# Altium PCB KSDK.PcbDoc (part 2 of 2)
Units mil, origin at the board's own origin, x right, y up, seen from the top; angles counter-clockwise.
Board outline 2046.95 x 2834.35 mil, 2 copper layers (Top Layer, Bottom Layer), stack 49.606 mil thick; 93 components, 114 nets, 465 pads, 312 vias.
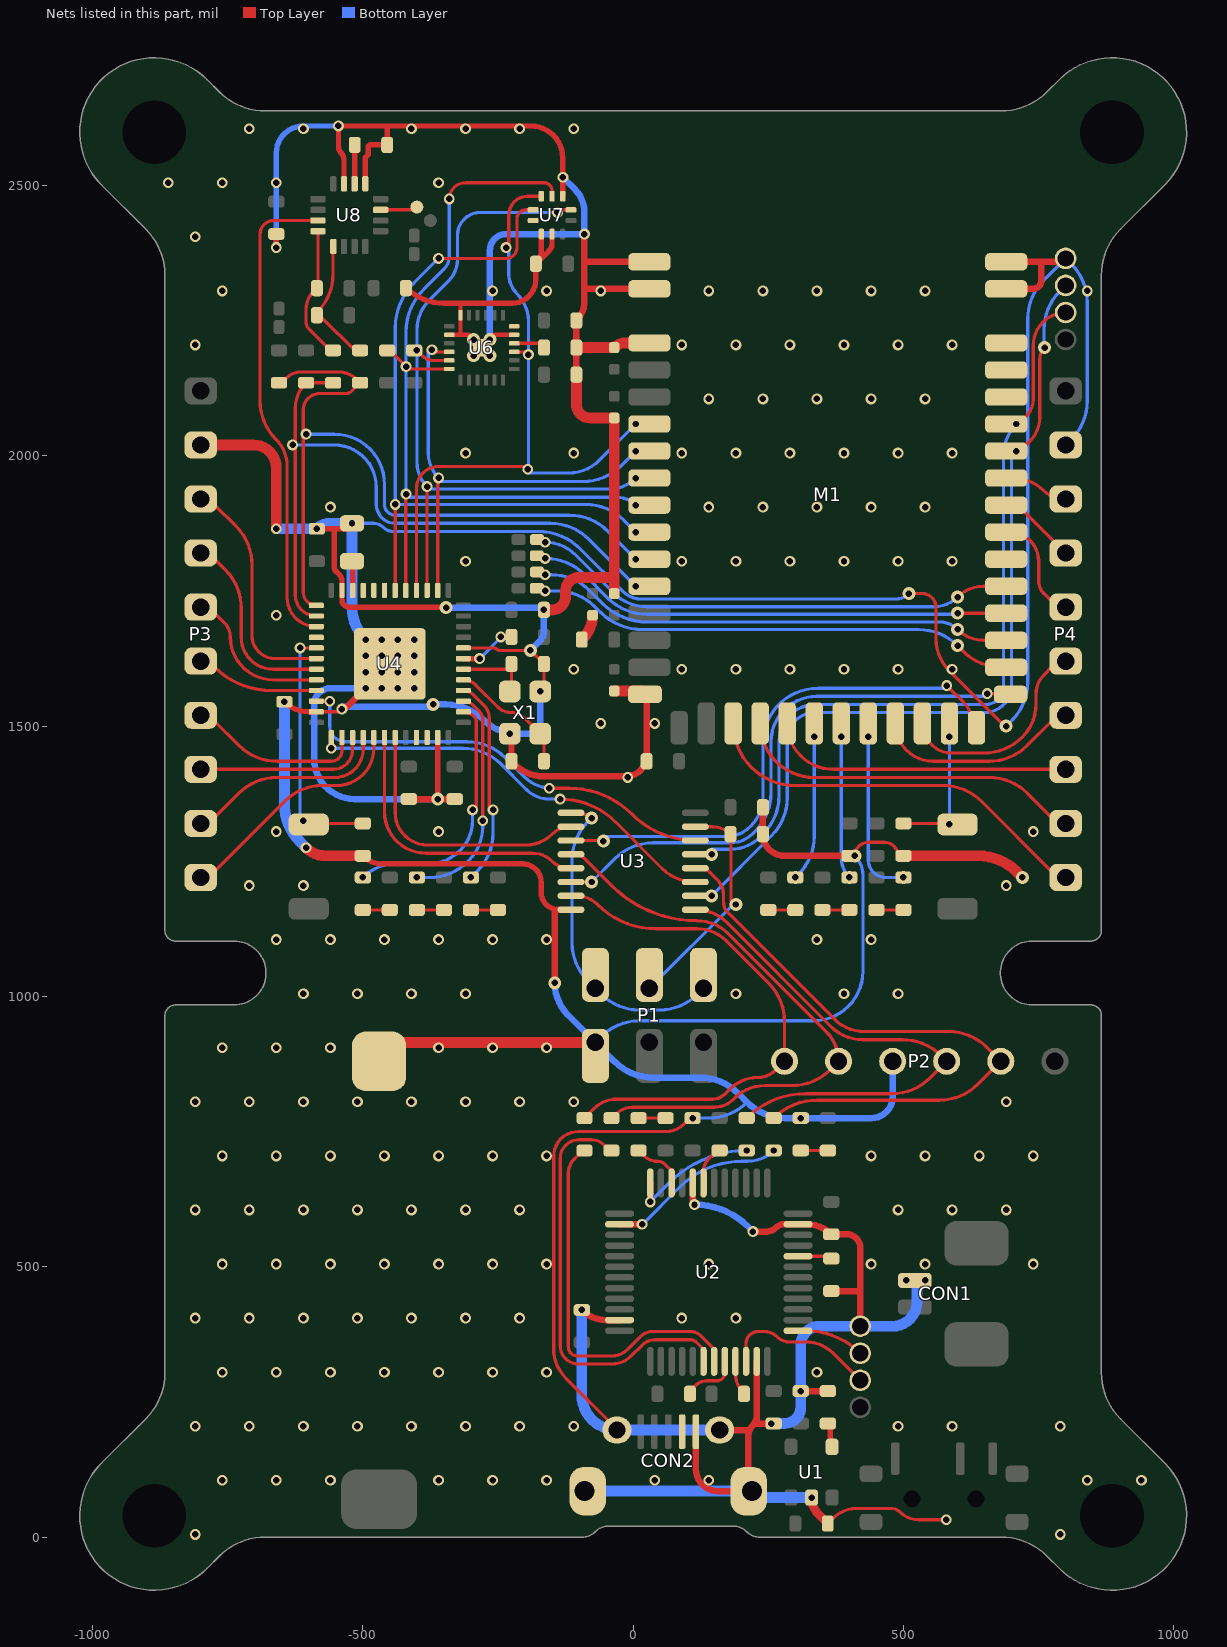
[diagram p2: the nets of this part, all layers, seen from the top]

## Via types
v1: diameter 20, hole 12, Top Layer to Bottom Layer, tented both sides, 251 vias
v2: diameter 24, hole 12, Top Layer to Bottom Layer, tented both sides, 61 vias

## Nets (pads, with @x,y where several pads share a name; then routed paths per layer and width w, separated by ;. In a path a pad name is that pad's centre, name@x,y a point inside that pad or via, vN(x,y) a via of type N, cw(c..) or ccw(c..) an arc to the next point about the centre after c; other vN are vias at no path point) (continued)
GND: Bat.1 C1.1 C2.1 C3.1 C4.1 C5.1 C6.1 C7.1 C8.1 C9.1 C10.1 C11.1 C12.1 C13.2 C14.1 C15.1 C16.1 C17.1 C18.1 C19.1 C20.1 C21.1 C22.1 C23.1 C24.1 C25.1 C26.1 C27.1 CON1.2 CON2.0 CON2.5 M1.1 M1.2 M1.3 M1.16 M1.43 M1.44 P1.6 P2.4 P3.2 P4.2 pad.0@420,390 pad.0@800,2365 pad.1@800,2020 pad.1@-70,890 pad.1@-800,2020 R1.1 R4.1 R11.1 R12.1 R17.1 R21.1 R23.1 U1.2 U2.8 U2.23 U2.35 U2.47 U3.8 U4.8 U4.23 U4.35 U4.47 U4.49 U6.11 U6.18 U6.20 U6.25 U7.3 U7.8 U7.9 U8.9 U8.11 X1.2 X1.4 | length 17249.8
  Top Layer w6: U4.35@-586,1526.42 v1@-538.58,1526.42 ; U4.8@-314,1644.53 -257.73,1644.53 cw(c-257.73,1636.8) -252.26,1642.26 ccw(c-246.8,1647.73) -246.8,1640 v2(-190,1640) ; v2(-295,2215) U6.25@-280,2200 v2(-265,2215) ; v1(-228,1486) X1.4@-225,1483 ; v2@-195,1635 cw(c-195,1610) C15.1@-170,1610 ; X1.2@-175,1567 v1(-172,1564) ; X1.2@-165,1567 C15.1@-165,1615 ; CON2.0@-28.42,198 -124.57,294.14 cw(c-69.2,349.5) -147,340.69 -147,704.56 cw(c-101.56,704.56) -101.56,750 60.55,750 ccw(c60.55,796.95) 93.72,763.72 ; 93.75,763.75 C5.1@107.5,777.5 ; C1.1@360,25 370.32,35.32 cw(c413,-7.36) 413,53 477.1,53 cw(c477.1,29.1) 494,46 ccw(c527.8,79.8) 527.8,32 v1(579,32) ; v2(410,1260) cw(c435,1260) 435,1285 465,1285 cw(c465,1260) R21.1@490,1260 ; v2(510,1745) 535,1745 cw(c535,1720) 560,1720 560,1662.4 ccw(c645.36,1662.4) 584.96,1602.08 ccw(c645.36,1662.4) 585,1602.04 687.04,1500 v2(690,1500)
  Top Layer w8: U6.20@-340,2223.62 -319.37,2223.62 ; -319.37,2281 U6.18@-319.37,2260 -319.37,2223.62 ; v2(-295,2215) -303.62,2223.62 -319.37,2223.62 ; v2(-265,2215) -256.38,2223.62 U6.11@-220,2223.62
  Top Layer w10: v1(-660,2385) C26.1@-660,2410 ; v1(-645,1545) ccw(c-600.14,1589.86) -600.14,1526.42 U4.35@-586,1526.42 ; v1(-585,1865) -553,1865 ; U8.11@-534.84,2503 -534.84,2547.55 ccw(c-552.45,2547.55) -539.98,2559.98 cw(c-527.93,2572.07) -545,2572.07 v1(-545,2610) -455,2610 ; v1(-520,1875) -520,1865 -553,1865 ; R17.1@-500,1260 ccw(c-463.79,1296.21) -463.79,1245 -204.14,1245 cw(c-204.14,1210.86) -170,1210.86 -170,1192.07 ccw(c-138.36,1192.07) U3.8@-138.36,1160.43 ; U8.9@-495.47,2503 -495.47,2551.79 -490.24,2557.02 -490.24,2569.76 cw(c-485,2569.76) -485,2575 C27.1@-455,2575 -455,2610 ; C25.1@-419.99,2310.99 ccw(c-350,2380.98) -350,2282 -224.49,2282 ccw(c-224.49,2326.49) -180,2326.49 ; v2(-361.42,1365) U4.47@-361.42,1479 ; v2@-350,1720 -525,1720 cw(c-525,1733.58) -538.58,1733.58 U4.23@-538.58,1751 -538.58,1768.94 ccw(c-554.22,1768.94) -543.16,1780 -549.35,1786.19 cw(c-540.54,1795) -553,1795 -553,1865 ; -180,2325.49 C24.1@-180,2355 ; U7.8@-169.69,2410 -169.69,2379.9 cw(c-204.9,2379.9) C24.1@-180,2355 ; U7.9@-150,2410 -150,2392.07 cw(c-167.07,2392.07) -155,2380 C24.1@-180,2355 ; U7.3@-130.31,2480 -130.31,2551.08 ccw(c-189.24,2551.08) -189.24,2610 -455,2610 ; U3.8@-119.58,1160.43 U3.8@-115,1160.43
  Top Layer w12: v1@-536.08,1528.92 v2(-495,1570) ; R12.1@-415,1365 v2(-361.42,1365) C12.1@-330,1365 ; X1.4@-225,1483 C14.1@-225,1435 -219.63,1429.63 ccw(c-165,1484.25) -165,1407 ; -170,1407 -165,1407 ; v2(-145,1025) -145,1153.8 cw(c-138.36,1153.8) U3.8@-138.36,1160.43 ; C21.1@-105,2150 C22.1@-105,2200 C23.1@-105,2250 ccw(c-141.24,2286.24) -89.99,2286.24 -89.99,2308.74 ; v1(-95,420) ccw(c-50.14,464.86) -50.14,401.42 U2.23@-25,401.42 ; v1(-90,2410) -89.99,2358.74 ; M1.16@25,1558.74 25,1445.49 cw(c-13.49,1445.49) -13.49,1407 -165,1407 ; M1.2@30,2308.74 -89.99,2308.74 ; M1.1@30,2358.74 -89.99,2358.74 ; U2.8@110.47,655 110.47,620 v1@115.47,615 ; CON2.5@116.18,195 116.18,125.44 ccw(c156.62,125.44) 156.62,85 CON2.0@220,85 ; CON2.0@160,198 213.16,198 213.16,188.32 ; CON2.0@213.16,93.42 213.16,188.32 ; v1(221.58,565) 246.97,565 ccw(c246.97,588.19) 263.37,571.79 ; U2.35@228.58,325 228.58,225.56 ; C8.1@240,1337.68 R11.1@240,1300 ccw(c280,1300) 280,1260 R23.1@400,1260 v2(410,1260) ; v1(255,210) 228.58,210 228.58,225.56 ; 263.39,571.81 cw(c279.76,555.4) 279.76,578.58 U2.47@305,578.58 321.71,578.58 cw(c321.71,515.14) C4.1@366.58,560 ; v1(310,270) C3.1@355,270 ; R4.1@366.58,455 420,455 ; C4.1@366.58,560 395,560 cw(c395,535) 420,535 pad.0@420,390 ; M1.44@689,2358.74 M1.44@690,2358.74 755,2358.74 ; M1.43@690,2308.74 740,2308.74 ccw(c740,2323.74) 755,2323.74 755,2358.74 ; pad.0@800,2358.74 755,2358.74 ; -89.99,2308.74 -89.99,2358.74 ; 213.16,188.32 cw(c236.52,188.32) 220,204.84 ccw(c199.28,225.56) 228.58,225.56
  Top Layer w16: v1(330,73) ccw(c373.46,73) 342.73,42.27 C1.1@360,25
  Top Layer w20: pad.1@-800,2020 -702.32,2020 cw(c-702.32,1977.68) -660,1977.68 v1(-660,1865) ; v1(-605,1275) ccw(c-568.79,1311.21) -568.79,1260 R17.1@-500,1260 ; Bat.1@-470,880 -470,915 P1.6@-70,915 ; v1(-165,1715) -150,1715 ccw(c-150,1740) -125,1740 -125,1750 cw(c-100,1750) -100,1775 -35,1775 ; C21.1@-105,2150 -105,2095 ccw(c-80,2095) -80,2070 C19.1@-35,2070 -35,1775 ; C22.1@-105,2200 C18.1@-35,2200 cw(c-13.9,2178.9) -13.9,2208.74 M1.3@30,2208.74 ; C17.1@-35,1565 M1.16@15.74,1565 ; C20.1@-35,1745 -35,1775 ; R21.1@500,1260 638.58,1260 cw(c638.58,1160) 709.29,1230.71 v2(720,1220)
  Bottom Layer w6: v1(-520,1875) -479.89,1875 cw(c-479.89,1850.11) -462.29,1867.71 ccw(c-443.67,1886.33) -443.67,1860 -176.12,1860 cw(c-176.12,1748.67) -97.39,1827.39 -19.14,1749.14 ; P1.6@-59.29,925.71 cw(c11.42,855) -38.15,941.85 cw(c11.42,855) 11.42,955 333.58,955 ccw(c333.58,1046.42) 425,1046.42 425,1223.79 ccw(c373.79,1223.79) v2(410,1260) ; -19.12,1749.12 ccw(c15,1783.28) 15,1735 485.86,1735 ccw(c485.86,1769.14) v2(510,1745) ; v1(110,775) 140,775 ccw(c140,875) 210.71,804.29 ; v2(690,1500) 700.71,1510.71 ccw(c630,1581.42) 730,1581.42 730,2253.58 cw(c830,2253.58) 759.29,2324.29 pad.0@800,2365 810.71,2354.29 cw(c740,2283.58) 840,2283.58 840,2101.42 cw(c740,2101.42) 810.71,2030.71 pad.1@800,2020
  Bottom Layer w10: v1(-660,2385) -660,2560 cw(c-610,2560) -610,2610 v1(-545,2610)
  Bottom Layer w12: v1@-538.58,1535.42 v2@-370,1535.42 ; v2(-495,1570) -560,1570 ccw(c-560,1540) -590,1540 -590,1440 ccw(c-515,1440) -515,1365 v2(-361.42,1365) ; v2@-492.5,1662.5 v2@-432.5,1602.5 ; v2(-370,1540) -346.42,1540 cw(c-346.42,1440) -275.71,1510.71 ccw(c-216.05,1570.37) -216.05,1486 -191.35,1486 ccw(c-191.35,1505.35) -172,1505.35 v1(-172,1564) ; v2(-346,1719) v1@-165,1719 ; v2(-265,2215) -265,2380 cw(c-235,2380) -235,2410 v1(-90,2410) -90,2449.89 ccw(c-150.62,2449.89) -107.76,2492.76 v1(-130,2515) ; v2(-190,1640) ccw(c-250.36,1700.36) v2(-190,1640) -172.51,1657.51 ccw(c-190.69,1675.66) -165,1675.66 v1(-165,1715) ; v2(-145,1025) ccw(c-60.5,1025) -120.28,965.28 ; -120.25,965.25 P1.6@-70,915 -34.29,879.29 ccw(c36.42,950) 36.42,850 123.58,850 cw(c123.58,750) 194.29,820.71 210.71,804.29 ccw(c281.42,875) 281.42,775 v1(310,775) 440.86,775 ccw(c440.86,814.14) 480,814.14 P2.4@480,880 ; v1@112.05,615 v1(113.47,615) cw(c113.47,474.73) 212.66,573.92 v1(221.58,565) ; CON2.0@160,198 CON2.0@161.58,198
  Bottom Layer w20: v1(-660,1865) v1(-585,1865) cw(c-560.86,1840.86) -560.86,1875 v1(-520,1875) -520,1720.36 ccw(c-434.64,1720.36) v2(-495,1660) ; v1(-645,1545) -645,1356.42 ccw(c-545,1356.42) -615.71,1285.71 v1(-605,1275) ; v1(-95,420) -95,263 ccw(c-30,263) CON2.0@-30,198 CON2.0@160,198 ; CON2.0@-90,85 CON2.0@220,85 ccw(c232,85) 232,73 v1(330,73) ; v1(255,210) 280,210 ccw(c280,240) 310,240 v1(310,270) 310,355 cw(c345,355) 345,390 pad.0@420,390 480,390 ccw(c480,435) 525,435 525,475 ; v1(505,475) 525,475 ; v1(540,475) 525,475
  other v1: -810,5 790,5 -760,105 -660,105 -560,105 -360,105 -260,105 -160,105 40,105 140,105 840,105 940,105 -810,205 -710,205 -610,205 -510,205 -410,205 -310,205 -210,205 -110,205 490,205 590,205 790,205 -760,305 -660,305 -560,305 -460,305 -360,305 -260,305 -160,305 340,305 -810,405 -710,405 -610,405 -510,405 -410,405 -310,405 -210,405 90,405 190,405 -760,505 -660,505 -560,505 -460,505 -360,505 -260,505 -160,505 140,505 440,505 540,505 740,505 -810,605 -710,605 -610,605 -510,605 -410,605 -310,605 -210,605 490,605 590,605 690,605 -760,705 -660,705 -560,705 -460,705 -360,705 -260,705 -160,705 440,705 540,705 640,705 740,705 -810,805 -710,805 -610,805 -510,805 -410,805 -310,805 -210,805 -110,805 690,805 -760,905 -660,905 -560,905 -360,905 -260,905 -160,905 -610,1005 -510,1005 -410,1005 -310,1005 190,1005 390,1005 490,1005 -660,1105 -560,1105 -460,1105 -360,1105 -260,1105 -160,1105 340,1105 440,1105 -710,1205 -610,1205 690,1205 -660,1305 -360,1305 740,1305 -10,1405 -60,1505 40,1505 -538.58,1531.42 -110,1605 90,1605 190,1605 290,1605 390,1605 490,1605 590,1605 -660,1705 -310,1805 90,1805 190,1805 290,1805 390,1805 490,1805 590,1805 -560,1905 140,1905 240,1905 340,1905 440,1905 540,1905 -310,2005 -110,2005 90,2005 190,2005 290,2005 390,2005 490,2005 590,2005 140,2105 240,2105 340,2105 440,2105 540,2105 -810,2205 90,2205 190,2205 290,2205 390,2205 490,2205 590,2205 -760,2305 -260,2305 -160,2305 -60,2305 140,2305 240,2305 340,2305 440,2305 540,2305 840,2305 -810,2405 -860,2505 -760,2505 -660,2505 -360,2505 -710,2605 -610,2605 -410,2605 -310,2605 -210,2605 -110,2605
  other v2: -465,1570 -435,1570 -405,1570 -495,1600 -465,1600 -435,1600 -405,1600 -495,1630 -465,1630 -435,1630 -405,1630 -465,1660 -435,1660 -405,1660 -295,2185 -265,2185
ID: CON2.4
IMU_CSB: M1.10 U4.18 U7.6 | length 1348
  Top Layer w6: U4.18@-440.16,1761 v1@-440.16,1910 ; v1(-360,2365) -235,2365 ccw(c-235,2385) -215,2385 -215,2438.04 cw(c-198.2,2438.04) -198.2,2454.84 U7.6@-185,2454.84
  Bottom Layer w6: v1@-445,1910 v1(-440,1910) ; v1(-360,2365) -405.32,2319.68 ccw(c-321.6,2235.96) -440,2235.96 v1(-440,1910) ; v2(5,1858.74) -16.97,1880.71 ccw(c-87.68,1810) -87.68,1910 v1(-440,1910)
IMU_CSM: M1.7 U4.14 U6.22 | length 863.9
  Top Layer w6: v1@-373.13,2196.13 -369.13,2192.13 U6.22@-340,2192.13 ; U4.14@-361.42,1761 v1@-361.42,1965
  Bottom Layer w6: v1@-379,2195 -379,2004.87 ccw(c-314.13,2004.87) v1(-360,1959) ; v1@-360,1952.43 -92.74,1952.43 ccw(c-92.74,2052.43) -22.02,1981.72 v2(5,2008.74)
  other v1: -372.13,2196.13
IMU_IMTB: U7.7
IMU_INTM: U6.12
IMU_SCK: M1.8 R24.1 U4.15 U6.23 U7.2 | length 1374.3
  Top Layer w6: R24.1@-402.5,2197.5 -390,2185 ccw(c-369.18,2205.82) -369.18,2176.38 U6.23@-340,2176.38 ; U4.15@-381.1,1761 v1(-381.1,1943) v1@-381.1,1945 ; v1(-140,2450) -135.16,2454.84 U7.2@-115,2454.84
  Bottom Layer w6: v1@-381.1,1938.28 -44.39,1938.28 ccw(c-44.39,2008.13) v2(5,1958.74) ; v1(-381.1,1943) cw(c-335.48,1988.62) -400,1988.62 v1(-400,2195) -400,2232.39 cw(c-321.28,2232.39) -376.97,2288.03 ; -375.28,2289.72 -341.3,2323.7 ccw(c-380.67,2363.06) -325,2363.06 -325,2407.68 cw(c-282.68,2407.68) -282.68,2450 v1(-140,2450)
IMU_SDI: M1.9 R25.1 U4.17 U6.24 U7.4 | length 1512
  Top Layer w6: R25.1@-445,2190 v1(-420,2165) -419.61,2164.61 ccw(c-410,2174.22) -410,2160.63 U6.24@-340,2160.63 ; U4.17@-420.47,1761 v1@-420.47,1930 ; v1(-340,2475) cw(c-310,2475) -310,2505 -165,2505 cw(c-165,2490) -150,2490 U7.4@-150,2480
  Bottom Layer w6: v1@-420,1923.14 -29.77,1923.14 cw(c-29.77,1873.97) v2(5,1908.74) ; v1@-420,1930 v1(-420,2165) -420,2228.88 cw(c-308.67,2228.88) -387.39,2307.61 -350,2345 ccw(c-374.14,2369.14) -340,2369.14 v1(-340,2475)
  other v1: -420,1929
IMU_SDO: M1.6 U4.16 U6.9 U7.5 | length 1241.7
  Top Layer w6: U4.16@-400.79,1761 -400.79,1939.21 cw(c-360,1939.21) -360,1980 v1@-190,1980 ; v1(-235,2385) v1@-230,2390 ; v1@-230,2380 v1@-230,2390 ; U6.9@-220,2192.13 -198.71,2192.13 v1(-193.71,2187.13) ; U7.5@-169.69,2480 -195,2480 ccw(c-195,2445) -230,2445 v1@-230,2390
  Bottom Layer w6: v1@-230,2385 -230,2336.21 ccw(c-178.79,2336.21) -215,2300 cw(c-266.4,2248.6) -193.71,2248.6 v1(-193.71,2187.13) v1@-193.71,1980 ; v1@-195,1968 -120,1968 ccw(c-120,2050.71) -61.51,1992.23 v2(5,2058.74)
  other v1: -195,1975
IST_RDY: U4.27 U8.15 | length 891.6
  Top Layer w6: U4.27@-586,1683.9 cw(c-586,1737.9) -640,1737.9 -640,1980.71 ccw(c-710.71,1980.71) -660.71,2030.71 cw(c-590,2101.42) -690,2101.42 -690,2409.84 cw(c-664.69,2409.84) -664.69,2435.16 U8.15@-583,2435.16
IST_SCL: M1.11 R26.1 R30.2 U4.25 | length 1398.7
  Top Layer w6: R26.1@-655,2135 ccw(c-655,2147.07) -646.46,2138.54 -640.61,2144.39 cw(c-615,2118.79) -615,2155 -545,2155 cw(c-545,2106.73) -510.89,2140.88 R30.2@-505,2135 -520,2120 cw(c-532.07,2132.07) -532.07,2115 -580,2115 ccw(c-580,2085) -610,2085 -610,1747.27 ccw(c-586,1747.27) U4.25@-586,1723.27
  Bottom Layer w6: -595,2040 -552.42,2040 cw(c-552.42,1947.58) -460,1947.58 -460,1910 ccw(c-440,1910) -440,1890 -117.68,1890 cw(c-117.68,1790) -46.97,1860.71 v2(5,1808.74)
  other v1: -605,2040
IST_SDA: M1.12 R27.1 R28.2 U4.26 | length 1279.3
  Top Layer w6: U4.26@-586,1703.58 cw(c-586,1742.58) -625,1742.58 -625,2086.72 cw(c-556.72,2086.72) R27.1@-605,2135 R28.2@-555,2135
  Bottom Layer w6: v1@-625,2020 -553.14,2020 cw(c-553.14,1941.86) -475,1941.86 -475,1910 ccw(c-440,1910) -440,1875 -152.68,1875 cw(c-152.68,1775) -81.97,1845.71 v2(5,1758.74)
  other v1: -630,2020
jBOOT: R4.2 U2.44 | length 66.9
  Top Layer w6: U2.44@301.58,519.53 U2.44@305,519.53 362.05,519.53 R4.2@366.58,515
jRST: R3.1 U2.7 | length 77.3
  Top Layer w6: U2.7@130.16,655 130.16,676.24 cw(c163.76,676.24) 139.99,699.99 R3.1@155,715 ; R3.1@151.58,715 R3.1@155,715 ; R3.1@160,715 R3.1@155,715
jRX: R8.1 U2.31 | length 709.3
  Top Layer w6: -108.44,699.98 ccw(c-80.48,672.06) -120,672.06 -120,352.07 ccw(c-102.93,352.07) -115,340 ccw(c-102.93,352.07) -102.93,335 -39.39,335 ccw(c-39.39,376.56) -10.03,347.15 ; -108.42,700 R8.1@-88.42,720 ; -10,347.17 14.22,371.39 ; 14.23,371.4 cw(c35,350.61) 35,380 106.58,380 cw(c106.58,353.95) 124.98,372.39 ; 125,372.37 149.84,347.53 U2.31@149.84,325
jSWC: pad.0@420,340 U2.37 | length 129.6
  Top Layer w6: U2.37@301.58,381.73 U2.37@305,381.73 319.25,381.73 cw(c319.25,239.25) pad.0@420,340
jSWCLK: R5.1 U2.12 | length 244
  Top Layer w12: v1(31.73,620) U2.12@31.73,655
  Bottom Layer w6: v1(31.73,620) 67.85,656.12 cw(c210,513.98) v1(210,715)
jSWD: pad.0@420,290 U2.34 | length 288.2
  Top Layer w6: U2.34@208.9,325 208.9,358.36 cw(c230.54,358.36) 215.24,373.66 ; 215.25,373.68 cw(c230.54,358.36) 230.54,380 243.14,380 cw(c243.14,347.57) 266.06,370.52 ; 266.09,370.48 ccw(c289.01,393.43) 289.01,361 319.01,361 cw(c319.01,288.59) 370.19,339.81 pad.0@420,290
jSWDIO: R6.1 U2.14 | length 334
  Top Layer w12: U2.14@-28.42,578.58 U2.14@-25,578.58 v1(16.58,578.58)
  Bottom Layer w6: v1@17.58,578.58 86.62,647.63 cw(c200.99,533.25) 200.99,695 211.72,695 ccw(c211.72,763.28) v1(260,715)
jTX: R7.1 U2.30 | length 792.8
  Top Layer w6: -53.45,725.02 ccw(c-77.57,700.86) -77.57,735 -100,735 ccw(c-100,700) -135,700 -135,354.14 ccw(c-100.86,354.14) -125.02,330.02 ccw(c-100.86,354.14) -100.86,320 -39.64,320 ccw(c-39.64,371.21) -3.43,334.99 ; -53.42,725 R7.1@-43.42,715 ; -3.42,335 16.58,355 cw(c40.72,330.86) 40.72,365 105,365 cw(c105,346.44) 118.12,359.57 130.16,347.53 U2.30@130.16,325
jUSB_DM: R9.2 U2.32 | length 104.4
  Top Layer w6: R9.2@102.5,267.5 115,280 cw(c136.73,258.27) 136.73,289 155,289 ccw(c155,303.53) 169.53,303.53 U2.32@169.53,325
jUSB_DP: R10.2 U2.33 | length 64.2
  Top Layer w6: U2.33@189.21,325 189.21,303.11 ccw(c243.11,303.11) 193.92,281.08 ccw(c243.11,303.11) R10.2@205,265
LED: D2.2 U2.10 | length 96.7
  Top Layer w6: D2.2@10,715 19.39,705.61 ccw(c45,731.21) 26.48,700.09 ccw(c45,731.21) 45,695 cw(c45,674.16) 59.73,688.9 71.1,677.53 U2.10@71.1,655
NetC3_2: C3.2 U1.4 | length 43
  Top Layer w10: U1.4@364.58,167 C3.2@364.58,210
NetC27_2: C27.2 U8.10 | length 71.8
  Top Layer w10: U8.10@-515.16,2503 C27.2@-515.16,2574.84
NetD1_2: D1.2 R1.2 | length 50
  Top Layer w6: R1.2@310,715 D1.2@360,715
NetD2_1: D2.1 R2.1 | length 50
  Top Layer w6: D2.1@11.58,775 R2.1@60,775 R2.1@61.58,775
NetD3_2: D3.2 R14.2 | length 50
  Top Layer w6: R14.2@-500,1160 D3.2@-450,1160
NetD4_2: D4.2 R15.2 | length 50
  Top Layer w6: R15.2@-400,1160 D4.2@-350,1160
NetD5_2: D5.2 R16.2 | length 50
  Top Layer w6: R16.2@-300,1160 D5.2@-250,1160
NetD6_2: D6.2 R18.2 | length 50
  Top Layer w6: D6.2@250,1160 R18.2@300,1160
NetD7_2: D7.2 R19.2 | length 50
  Top Layer w6: D7.2@350,1160 R19.2@400,1160
NetD8_2: D8.2 R20.2 | length 50
  Top Layer w6: D8.2@450,1160 R20.2@500,1160
NetL1_1: L1.1 L2.2 | length 50.7
  Top Layer w20: L1.1@-95,1660 -92.68,1662.32 ccw(c-135.36,1705) L2.2@-75,1705
NetP1_1: P1.1 P1.5 pad.1@130,1040 pad.1@-70,1040 U3.1 | length 612.2
  Top Layer w6: U3.1@-115,1339.57 -106.21,1339.57 cw(c-106.21,1288.35) v2@-70,1324.57
  Bottom Layer w6: v2(-77,1329.57) -83.71,1322.86 ccw(c-13,1252.15) -113,1252.15 -113,1099.42 ccw(c-13,1099.42) -83.71,1028.71 P1.5@-70,1015 -59.29,1004.29 ccw(c11.42,1075) 11.42,975 48.58,975 ccw(c48.58,1075) 119.29,1004.29 P1.1@130,1015
NetP1_3: P1.3 pad.1@30,1040 R11.2 U3.15 | length 422.2
  Top Layer w6: U3.15@115,1313.98 146.26,1313.98 cw(c146.26,1266.26) R11.2@180,1300 ; R11.2@180.5,1300.5 181,1300 v2@181,1170
  Bottom Layer w6: P1.3@30,1015 v2@187.5,1172.5
  other v2: 190,1170
NRF_KEY: K2.1 M1.27 R21.2 | length 247
  Top Layer w6: R21.2@500,1320 K2.1@585,1320
  Bottom Layer w6: v2(585,1318) v2(585,1480)
NRF_LED_B: M1.24 R20.1 | length 311.2
  Bottom Layer w6: v2(435,1480) 435,1252.25 ccw(c467.25,1252.25) 467.25,1220 v2(500,1220)
NRF_LED_G: M1.23 R19.1 | length 264
  Bottom Layer w6: v2(385,1480) 385,1256.21 ccw(c436.21,1256.21) v2(400,1220)
NRF_LED_R: M1.22 R18.1 | length 270.2
  Bottom Layer w6: v2(300,1220) 305.71,1225.71 ccw(c235,1296.42) 335,1296.42 v2(335,1480)
NRF_SWCLK: M1.38 pad.0@800,2315 U3.10 | length 1634.3
  Top Layer w6: U3.10@115,1186.02 v2(145,1186.02) ; M1.38@690,2008.74 ccw(c690,2070.74) 752,2070.74 752,2178.27 cw(c782.73,2178.27) v2(761,2200)
  Bottom Layer w6: v2(145,1186.02) 255.71,1296.73 ccw(c185,1367.44) 285,1367.44 285,1473.79 cw(c336.21,1473.79) 336.21,1525 650,1525 ccw(c650,1575) 700,1575 v2@700,2008.74 ; v2@760,2200 760,2233.58 cw(c860,2233.58) 789.29,2304.29 pad.0@800,2315
  other v2: 709,2008.74
NRF_SWDIO: M1.39 pad.0@800,2265 U3.13 | length 1520
  Top Layer w6: M1.39@693.74,2058.74 ccw(c693.74,2105) 740,2105 740,2204 cw(c801,2204) pad.0@801,2265 ; M1.39@715,2058.74 M1.39@718.74,2058.74
  Bottom Layer w6: v2@145,1272 180,1272 ccw(c180,1349.25) 234.63,1294.63 240.71,1300.71 ccw(c170,1371.42) 270,1371.42 270,1472.61 cw(c337.39,1472.61) 337.39,1540 652.75,1540 ccw(c652.75,1572.25) 685,1572.25 685,2000.8 cw(c766.94,2000.8) v2(709,2058.74)
  other v2: 145,1262.8
NRF_UART_RX: M1.28 U3.3 | length 990.8
  Top Layer w6: U3.3@-115,1288.39 v2@-55,1288.39 ; v1(580,1575) 610.2,1544.8 cw(c562.4,1497) M1.28@630,1497
  Bottom Layer w6: v2@-55,1296 172.69,1296 ccw(c172.69,1358.73) 217.05,1314.37 ccw(c161.64,1369.78) 240,1369.78 240,1468.17 cw(c341.83,1468.17) 341.83,1570 v1@580,1570
  other v2: -55,1287.39
NRF_UART_TX: M1.29 U3.6 | length 1028.7
  Top Layer w6: U3.6@-115,1211.61 v2(-77,1211.61) ; v1(655,1560) M1.29@694.96,1560
  Bottom Layer w6: v2(-77,1211.61) -33.9,1254.71 cw(c36.81,1184) 36.81,1284 180,1284 ccw(c180,1341.94) 220.97,1300.97 225.71,1305.71 ccw(c155,1376.42) 255,1376.42 255,1470.6 cw(c339.4,1470.6) 339.4,1555 v1@650,1555
"P0.03 (AIN1)": M1.19 P4.10 pad.1@800,1220 | length 745.2
  Top Layer w6: M1.19@185,1505 ccw(c300,1505) 300,1390 573.58,1390 cw(c573.58,1290) 644.29,1360.71 774.39,1230.61 ccw(c800,1256.21) pad.1@800,1220
"P0.04 (AIN2)": M1.20 P4.9 pad.1@800,1320 | length 651.4
  Top Layer w6: M1.20@235,1505 ccw(c335,1505) 335,1405 658.58,1405 cw(c658.58,1305) 729.29,1375.71 774.39,1330.61 ccw(c800,1356.21) pad.1@800,1320
"P0.05 (AIN3)": M1.21 P4.8 pad.1@800,1420 | length 563.5
  Top Layer w6: M1.21@285,1505 ccw(c370,1505) 370,1420 pad.1@800,1420
"P0.09 (NFC1)": M1.25 P4.7 pad.1@800,1520 | length 384.3
  Top Layer w6: M1.25@485,1505 ccw(c555,1505) 555,1435 658.58,1435 ccw(c658.58,1535) 729.29,1464.29 774.39,1509.39 cw(c800,1483.79) pad.1@800,1520
"P0.10 (NFC2)": M1.26 P4.6 pad.1@800,1620 | length 399.1
  Top Layer w6: M1.26@535,1505 ccw(c590,1505) 590,1450 648.58,1450 ccw(c648.58,1550) 719.29,1479.29 720.25,1480.25 ccw(c660.5,1540) 745,1540 745,1558.79 cw(c796.21,1558.79) 759.99,1594.99 774.39,1609.39 cw(c800,1583.79) pad.1@800,1620
P0.14: M1.30 SB1.1 | length 893.8
  Top Layer w6: v2(600,1648.74) 610.71,1638.03 ccw(c681.42,1708.74) 681.42,1608.74 M1.30@690,1608.74
  Bottom Layer w6: v1(-163,1750) -141.42,1750 cw(c-141.42,1650) -70.71,1720.71 -61.03,1711.03 ccw(c17.67,1789.73) 17.67,1678.43 528.89,1678.43 cw(c528.89,1578.43) 599.6,1649.14 v2(600,1648.74)
P0.15: M1.31 SB2.1 | length 888.9
  Top Layer w6: v2(600,1678.74) ccw(c648.28,1727.02) 648.28,1658.74 M1.31@690,1658.74
  Bottom Layer w6: v1(-163,1780) -151.42,1780 cw(c-151.42,1680) -80.71,1750.71 -57.01,1727.01 ccw(c26.12,1810.13) 26.12,1692.57 566.6,1692.57 cw(c566.6,1645.34) v2(600,1678.74)
P0.16: M1.32 SB3.1 | length 887.6
  Top Layer w6: v2(600,1708.74) M1.32@690,1708.74
  Bottom Layer w6: v1(-163,1810) -161.42,1810 cw(c-161.42,1710) -90.71,1780.71 -46.73,1736.73 ccw(c25.74,1809.21) 25.74,1706.72 595.11,1706.72 ccw(c595.11,1713.63) v2(600,1708.74)
P0.17: M1.33 SB4.1 | length 905.3
  Top Layer w6: v2(600,1738.74) cw(c648.28,1690.46) 648.28,1758.74 M1.33@690,1758.74
  Bottom Layer w6: v1(-163,1840) cw(c-163,1760.33) -106.67,1816.67 -36.21,1746.21 ccw(c25,1807.43) 25,1720.86 556.83,1720.86 ccw(c556.83,1781.91) v2(600,1738.74)
P0.18: M1.34
P0.19: M1.35 P4.5 pad.1@800,1720 | length 202.1
  Top Layer w6: M1.35@690,1858.74 696.26,1858.74 cw(c696.26,1805) 750,1805 750,1769.14 ccw(c784.14,1769.14) 760,1745 774.39,1730.61 ccw(c800,1756.21) pad.1@800,1720
P0.20: M1.36 P4.4 pad.1@800,1820 | length 144.5
  Top Layer w6: M1.36@690,1908.74 cw(c690,1857.41) 726.29,1893.71 pad.1@800,1820
P0.21: M1.37 P4.3 pad.1@800,1920 | length 120.4
  Top Layer w6: M1.37@690,1958.74 702.69,1958.74 cw(c702.69,1877.69) 760,1935 ccw(c796.21,1971.21) 796.21,1920 pad.1@800,1920
P0.22: M1.40
P0.23: M1.41
P0.24: M1.42
PA9: P3.3 pad.1@-800,1920 U4.30 | length 438.2
  Top Layer w6: pad.1@-800,1920 cw(c-800,1883.79) -774.39,1909.39 -734.29,1869.29 cw(c-805,1798.58) -705,1798.58 -705,1667.41 ccw(c-662.43,1667.41) -662.43,1624.84 U4.30@-586,1624.84
PA10: P3.4 pad.1@-800,1820 U4.31 | length 362.4
  Top Layer w6: pad.1@-800,1820 cw(c-800,1783.79) -774.39,1809.39 -754.29,1789.29 cw(c-825,1718.58) -725,1718.58 -725,1664.37 ccw(c-665.79,1664.37) -665.79,1605.16 U4.31@-586,1605.16
PA11: P3.5 pad.1@-800,1720 U4.32 | length 302.8
  Top Layer w6: pad.1@-785,1720 pad.1@-800,1720 cw(c-800,1683.79) -774.39,1709.39 -755.61,1690.61 cw(c-781.21,1665) -745,1665 ccw(c-665.47,1665) -665.47,1585.47 U4.32@-586,1585.47
PA12: P3.6 pad.1@-800,1620 U4.33 | length 228.5
  Top Layer w6: pad.1@-800,1620 cw(c-800,1583.79) -774.39,1609.39 ccw(c-669.12,1714.67) -669.12,1565.79 U4.33@-586,1565.79
PA15: P3.7 pad.1@-800,1520 U4.38 | length 341.4
  Top Layer w6: pad.1@-785,1520 pad.1@-800,1520 cw(c-800,1483.79) -774.39,1509.39 -729.29,1464.29 ccw(c-658.58,1535) -658.58,1435 -558.01,1435 ccw(c-558.01,1454.43) -538.58,1454.43 U4.38@-538.58,1479
PB1: U4.19
PB2: U4.20
PB3: P3.8 pad.1@-800,1420 U4.39 | length 324.6
  Top Layer w6: pad.1@-800,1420 -554.9,1420 ccw(c-554.9,1456) -518.9,1456 U4.39@-518.9,1479
PB4: P3.9 pad.1@-800,1320 U4.40 | length 396.6
  Top Layer w6: pad.1@-785,1320 pad.1@-800,1320 ccw(c-800,1356.21) -774.39,1330.61 -729.29,1375.71 cw(c-658.58,1305) -658.58,1405 -551.76,1405 ccw(c-551.76,1457.55) -499.21,1457.55 U4.40@-499.21,1479
PB5: P3.10 pad.1@-800,1220 U4.41 | length 459.5
  Top Layer w6: pad.1@-785,1220 pad.1@-800,1220 ccw(c-800,1256.21) -774.39,1230.61 -643.28,1361.72 cw(c-575,1293.43) -575,1390 -548.62,1390 ccw(c-548.62,1459.09) -479.53,1459.09 U4.41@-479.53,1479
PB8: U4.45
PB9: U4.46
PB10: U4.21
PB15: U4.28
REG: C22.2 U6.10 | length 53.3
  Top Layer w6: U6.10@-215,2207.87 -172.87,2207.87 C22.2@-165,2200
RST: R13.1 U4.7 | length 86
  Top Layer w10: U4.7@-314,1624.84 v1(-284,1624.84)
  Bottom Layer w6: v1(-284,1624.84) v1@-244.42,1664.42
  other v1: -245,1665
SCL: R30.1 R31.1 U8.1 | length 219.7
  Top Layer w6: R31.1@-583.28,2266.72 ccw(c-654.29,2336.11) -555.01,2336.11 U8.1@-555,2387 ; R31.1@-577.5,2257.5 R30.1@-512.5,2192.5
SDA: R28.1 R29.1 U8.16 | length 244.6
  Top Layer w6: -600.03,2235.03 cw(c-587.98,2247.05) -605,2247.05 -605,2270 cw(c-556.72,2270) -605,2270.1 cw(c-556.72,2270) -601.18,2288.82 cw(c-556.72,2270) -590.86,2304.14 R29.1@-585,2310 ; -600.01,2235.01 R28.1@-560,2195 ; R29.1@-583,2310 U8.16@-583,2415.47
STM_KEY: K1.1 R17.2 U4.29 | length 451.1
  Top Layer w6: v1(-616,1644.53) U4.29@-586,1644.53 ; K1.1@-600,1320 R17.2@-500,1320
  Bottom Layer w6: v1(-616,1644.53) -616,1339.47 ccw(c-595.54,1339.47) v1(-610.01,1325.01)
STM_LED_B: R16.1 U4.4 | length 382.1
  Top Layer w6: U4.4@-314,1565.79 cw(c-314,1540.25) -295.94,1558.31 -275,1537.37 cw(c-296.73,1515.64) -266,1515.64 v1@-266,1345
  Bottom Layer w6: v1(-300,1220) -288.29,1231.71 ccw(c-359,1302.42) -259,1302.42 v1(-259,1345)
STM_LED_G: R15.1 U4.3 | length 425.4
  Top Layer w6: U4.3@-314,1546.1 cw(c-314,1520.56) -295.94,1538.62 -285,1527.68 cw(c-301.9,1510.78) -278,1510.78 v1(-278,1325)
  Bottom Layer w6: v1(-400,1220) -376.42,1220 ccw(c-376.42,1320) -305.71,1249.29 -305,1250 ccw(c-370.18,1315.18) -278,1315.18 v1(-278,1325)
STM_LED_R: R14.1 U4.2 | length 470.5
  Top Layer w6: U4.2@-314,1526.42 cw(c-314,1500.88) -295.96,1518.95 -292.97,1515.97 cw(c-300.14,1508.79) -290,1508.79 v1@-290,1345
  Bottom Layer w6: v1(-500,1220) cw(c-439.64,1159.64) -439.64,1245 -380.36,1245 ccw(c-380.36,1330.36) -320,1270 ccw(c-375.53,1325.53) -297,1325.53 v1(-297,1345)
STM_SWCLK: U3.11 U4.37 | length 753.8
  Top Layer w6: v1(-135,1365) cw(c-135,1220.15) -32.57,1322.57 52.5,1237.5 ccw(c115,1300.01) 96.41,1213.59 ccw(c115,1300.01) U3.11@115,1211.61
  Bottom Layer w6: v1(-558.27,1459) -315,1459 cw(c-315,1360.02) -245.04,1430.04 cw(c-315,1360.02) -245.01,1430.01 -197.68,1382.68 ccw(c-155,1425.36) -155,1365 v1@-143.58,1365 ; v1@-138.58,1365 v1(-135,1365)
STM_SWDIO: U3.14 U4.34 | length 833.4
  Top Layer w6: U4.34@-596.58,1546.1 U4.34@-586,1546.1 v1(-561,1546.1) ; v1(-155,1385) -118.25,1385 cw(c-118.25,1220.24) -1.74,1336.74 ccw(c115,1453.48) U3.14@115,1288.39
  Bottom Layer w6: v1(-561,1546.1) -561,1499.7 ccw(c-532.3,1499.7) -532.3,1471 -307.42,1471 cw(c-307.42,1371) -236.71,1441.71 -201.21,1406.21 ccw(c-150,1457.43) v1@-150,1385
STM_UART_RX: U3.2 U4.43 | length 507.5
  Top Layer w6: U4.43@-440.16,1479 -440.16,1340 ccw(c-380.16,1340) -380.16,1280 -198.28,1280 ccw(c-198.28,1348.28) -150,1300 cw(c-116.26,1266.26) -116.26,1313.98 U3.2@-115,1313.98
STM_UART_TX: U3.5 U4.42 | length 533.5
  Top Layer w6: U4.42@-459.84,1479 -459.84,1341.37 ccw(c-383.48,1341.37) -383.48,1265 -186.21,1265 cw(c-186.21,1213.79) -150,1250 ccw(c-119.11,1280.89) -119.11,1237.2 U3.5@-115,1237.2
STM_XC1: C14.2 U4.5 X1.1 | length 232.7
  Top Layer w6: U4.5@-314,1585.47 cw(c-314,1552.81) -290.92,1575.92 -250.25,1535.25 ccw(c-225.5,1560.01) -225.5,1525 cw(c-225.5,1489.99) -200.77,1514.77 X1.1@-172,1486 -165,1479 C14.2@-165,1435
STM_XC2: C15.2 U4.6 X1.3 | length 123.2
  Top Layer w6: U4.6@-314,1605.16 -225,1605.16 X1.3@-225,1571
SWCLK: P2.3 R5.2 U3.9 | length 972.3
  Top Layer w6: U3.9@115,1160.43 cw(c115,1076.98) 174.01,1135.99 365.96,944.04 ; R5.2@210,775 cw(c318.94,666.03) 318.94,820.11 478.69,820.11 ccw(c478.69,920.11) 549.4,849.4 P2.3@580,880 569.29,890.71 ccw(c498.58,820) 498.58,920 424,920 cw(c424,1002.08) 365.99,944.01
SWDIO: P2.2 R6.2 U3.12 | length 1181
  Top Layer w6: U3.12@115,1237.2 134.54,1237.2 154.75,1217 cw(c125.1,1187.36) 167.02,1187.36 167.02,1175 ccw(c196.05,1175) 175.53,1154.47 371.67,958.33 ccw(c428,1014.67) 428,935 583.58,935 cw(c583.58,835) 654.29,905.71 P2.2@680,880 637.4,837.4 cw(c566.69,908.11) 566.69,808.11 339.94,808.11 ccw(c339.94,695.06) R6.2@260,775
UART_RX: P2.5 R7.2 U3.4 | length 1089
  Top Layer w6: U3.4@-97.8,1262.8 -40.78,1205.78 ccw(c118.03,1364.59) 118.03,1140 cw(c118.03,1058.06) 175.94,1116.03 ; R7.2@-38.42,775 R7.2@-30,783.42 ; R7.2@-29.98,783.44 cw(c-2.06,755.48) -2.06,795 150.31,795 ccw(c150.31,844.06) 184.97,809.34 ; 175.97,1116 357.39,934.58 cw(c302.82,880) P2.5@380,880 364.29,864.29 cw(c293.58,935) 293.58,835 242.97,835 ccw(c242.97,756.94) 187.77,812.14 185,809.37
UART_TX: P2.6 R8.2 U3.7 | length 976.9
  Top Layer w6: U3.7@-115,1186.02 -104.68,1186.02 cw(c-104.68,1131.32) -66,1170 ccw(c42.64,1278.64) 42.64,1125 118.89,1125 cw(c118.89,1049.89) 172,1103 250.71,1024.29 cw(c180,953.58) 280,953.58 P2.6@280,880 264.14,864.14 cw(c230,898.28) 230,850 ccw(c230,779.09) 179.86,829.23 170.63,820 ; R8.2@-90,775 -72.68,792.32 cw(c-30,749.64) -63.73,799.7 cw(c-30,749.64) -30,810 146.49,810 ccw(c146.49,844.14) 170.61,819.98
VCAP: C13.1 U4.22 | length 49.5
  Top Layer w10: C13.1@-520,1800 -518.9,1798.9 U4.22@-518.9,1751
VPP: pad.0@-400,2460 U8.7 | length 69.1
  Top Layer w6: U8.7@-467,2454.84 -405.16,2454.84 pad.0@-400,2460
pads on no net: CON1.0 S1.0 U2.2 U2.3 U2.4 U2.5 U2.6 U2.11 U2.13 U2.15 U2.16 U2.17 U2.18 U2.19 U2.20 U2.21 U2.22 U2.25 U2.26 U2.27 U2.28 U2.29 U2.38 U2.39 U2.40 U2.41 U2.42 U2.43 U2.45 U2.46 U6.2 U6.3 U6.4 U6.5 U6.6 U6.14 U6.15 U6.16 U6.17 U6.19 U8.3 U8.8 U8.12 U8.14

## Polygon pours and split planes (outlines as drawn)
GND on Bottom Layer "GND_L02_P003" (solid, remove dead copper, pour order 3): -983.26,136.81 ccw(c-885.83,39.37) -788.39,-58.07 -765.68,-35.35 cw(c-680.32,-120.71) -680.32,0 -94.14,0 ccw(c-94.14,34.14) -70,10 cw(c-45.86,-14.14) -45.86,20 185.86,20 cw(c185.86,-14.14) 210,10 ccw(c234.14,34.14) 234.14,0 680.32,0 cw(c680.32,-120.71) 765.68,-35.35 788.39,-58.07 ccw(c885.83,39.37) 983.26,136.81 901.5,218.57 cw(c986.85,303.93) 866.14,303.93 866.14,964.57 ccw(c846.46,964.57) 846.46,984.25 738.19,984.25 cw(c738.19,1043.31) 738.19,1102.36 846.46,1102.36 ccw(c846.46,1122.05) 866.14,1122.05 866.14,2333.87 cw(c986.85,2333.87) 901.5,2419.22 983.26,2500.99 ccw(c885.83,2598.42) 788.39,2695.86 765.68,2673.15 cw(c680.33,2758.51) 680.33,2637.79 680.33,2637.8 -680.33,2637.79 cw(c-680.33,2758.51) -765.68,2673.15 -788.39,2695.86 ccw(c-885.83,2598.42) -983.26,2500.99 -901.5,2419.22 cw(c-986.85,2333.87) -866.14,2333.87 -866.14,1122.05 ccw(c-846.46,1122.05) -846.46,1102.36 -738.19,1102.36 cw(c-738.19,1043.31) -738.19,984.25 -846.46,984.25 ccw(c-846.46,964.57) -866.14,964.57 -866.14,303.93 cw(c-986.85,303.93) -901.5,218.57
GND on Top Layer "GND_L01_P002" (solid, remove dead copper, pour order 2): -983.26,136.81 ccw(c-885.83,39.37) -788.39,-58.07 -765.68,-35.35 cw(c-680.32,-120.71) -680.32,0 -94.14,0 ccw(c-94.14,34.14) -70,10 cw(c-45.86,-14.14) -45.86,20 185.86,20 cw(c185.86,-14.14) 210,10 ccw(c234.14,34.14) 234.14,0 680.32,0 cw(c680.32,-120.71) 765.68,-35.35 788.39,-58.07 ccw(c885.83,39.37) 983.26,136.81 901.5,218.57 cw(c986.85,303.93) 866.14,303.93 866.14,964.57 ccw(c846.46,964.57) 846.46,984.25 738.19,984.25 cw(c738.19,1043.31) 738.19,1102.36 846.46,1102.36 ccw(c846.46,1122.05) 866.14,1122.05 866.14,2333.87 cw(c986.85,2333.87) 901.5,2419.22 983.26,2500.99 ccw(c885.83,2598.42) 788.39,2695.86 765.68,2673.15 cw(c680.33,2758.51) 680.33,2637.79 680.33,2637.8 -680.33,2637.79 cw(c-680.33,2758.51) -765.68,2673.15 -788.39,2695.86 ccw(c-885.83,2598.42) -983.26,2500.99 -901.5,2419.22 cw(c-986.85,2333.87) -866.14,2333.87 -866.14,1122.05 ccw(c-846.46,1122.05) -846.46,1102.36 -738.19,1102.36 cw(c-738.19,1043.31) -738.19,984.25 -846.46,984.25 ccw(c-846.46,964.57) -866.14,964.57 -866.14,303.93 cw(c-986.85,303.93) -901.5,218.57

## Other copper
Top Layer:
  region net GND: -260,2230 -250,2220 -250,2180 -260,2170 -300,2170 -310,2180 -310,2220 -300,2230
  pour cut-out: -215,2125 -205,2135 -205,2265 -215,2275 -345,2275 -355,2265 -355,2135 -345,2125
  pour cut-out: -415,2345 -415,2545 -425,2555 -625,2555 -635,2545 -635,2345 -625,2335 -425,2335
  region net GND: -495,1660 -405,1660 -405,1570 -495,1570
Bottom Layer:
  region net GND: -295,2215 -265,2215 -265,2185 -295,2185
  region net GND: -495,1660 -405,1660 -405,1570 -495,1570
Multi-Layer:
  pour cut-out: -55,2740 -55,2395 1025,2395 1025,2740

## Silkscreen, mask and mechanical layers (free items; w line width, h text height)
Top Overlay:
  drawing of 113 lines, arcs and shapes, not listed
  text "Y" at -665,2040 h100
  text "X" at -315,2040 h100
  text "ENU" at -590,2015 h100
  text "NED" at -240,2015 h100
  text "X" at -535,1915 h100
  text "Y" at -185,1915 h100
  text "A3" at -140,1865 h50
  text "17" at -80,1865 h50
  text "A2" at -140,1835 h50
  text "16" at -80,1835 h50
  text "A1" at -140,1805 h50
  text "15" at -80,1805 h50
  text "A0" at -140,1775 h50
  text "14" at -80,1775 h50
  text "KSDK v2" at 200,1010 h120
  text "KitSprout" at -660,1005 h150
  text "GND" at 455,825 h80 r270
  text "SWC" at 555,825 h80 r270
  text "SWD" at 655,825 h80 r270
  text "3V3" at 755,825 h80 r270
  text "+" at 486.58,350 h100
  text "+" at -620,5 h100
Bottom Overlay:
  drawing of 3544 lines, arcs and shapes, not listed
  text "STM32F411CE" at -75,2445 h130
  text "NRF52832" at 555,2445 h130
  text "CORTEX-M4F 100MHz" at -75,2380 h80
  text "CORTEX-M4F 64MHz" at 555,2380 h80
  text "GND" at 755,2345 h60
  text "512 Kbytes Flash" at -75,2320 h80
  text "256 Kbytes Flash" at 555,2320 h80
  text "SWC" at 755,2295 h60
  text "128 Kbytes SRAM" at -75,2260 h80
  text "32 Kbytes RAM" at 555,2260 h80
  text "SWD" at 755,2245 h60
  text "KEY (A8)" at -390,2195 h60
  text "LEDR (C13)" at -140,2195 h60
  text "KEY (11)" at 215,2195 h60
  text "LEDR (06)" at 490,2195 h60
  text "3V3" at 755,2195 h60
  text "RX (B7)" at -390,2145 h60
  text "LEDG (C14)" at -140,2145 h60
  text "RX (12)" at 215,2145 h60
  text "LEDG (07)" at 490,2145 h60
  text "3V3" at -610,2095 h80
  text "TX (B6)" at -390,2095 h60
  text "LEDB (C15)" at -140,2095 h60
  text "TX (13)" at 215,2095 h60
  text "LEDB (08)" at 490,2095 h60
  text "3V3" at 750,2095 h80
  text "GND" at -610,1995 h80
  text "GND" at 750,1995 h80
  text "IST8308" at -75,1950 h130
  text "ICM20948" at 555,1950 h130
  text "A9" at -610,1895 h80
  text "21G" at 750,1895 h80
  text "I2C : 0x1A" at -80,1890 h80
  text "I2C : 0xD0 / 0x18" at 550,1890 h80
  text "．Magnetometer" at -75,1810 h80
  text "．Gyroscope" at 555,1810 h80
  text "A10" at -610,1795 h80
  text "20G" at 750,1795 h80
  text "±200/500 uT" at -115,1745 h60
  text "±250/500/1000/2000 dps" at 515,1745 h60
  text "A11" at -610,1695 h80
  text "19G" at 750,1695 h80
  text "．Accelerometer" at 555,1690 h80
  text "CSM (A4/26)" at -80,1630 h80
  text "±2/4/8/16 g" at 515,1625 h60
  text "A12" at -610,1595 h80
  text "10N" at 750,1595 h80
  text "．Magnetometer" at 555,1570 h80
  text "SCK (A5/27)" at -80,1565 h80
  text "±4800 uT (AK09916)" at 515,1505 h60
  text "SDO (A6/25)" at -80,1500 h80
  text "A15" at -610,1495 h80
  text "09N" at 750,1495 h80
  text "SDI (A7/28)" at -80,1435 h80
  text "B3" at -610,1395 h80
  text "05A" at 750,1395 h80
  text "CSB (B0/26)" at -80,1370 h80
  text "LPS22HB" at 555,1370 h130
  text "I2C : 0xB8" at 550,1310 h80
  text "SCL (B12/30)" at -80,1305 h80
  text "B4" at -610,1295 h80
  text "04A" at 750,1295 h80
  text "SDA (B13/31)" at -80,1240 h80
  text "．Barometer" at 555,1230 h80
  text "B5" at -610,1195 h80
  text "03A" at 750,1195 h80
  text "RDY (B14/NC)" at -80,1175 h80
  text "260 ~ 1260 hPa" at 515,1165 h60
  text "GND" at 455,685 h80 r270
  text "SWC" at 555,685 h80 r270
  text "SWD" at 655,685 h80 r270
  text "3V3" at 755,685 h80 r270
  text "GND" at 375,370 h60
  text "SWC" at 375,320 h60
  text "SWD" at 375,270 h60
  text "3V3" at 375,220 h60
Mechanical 1:
  lines w2: 234.14,0 ccw(c234.14,0) 234.14,0 ; 234.14,0 cw(c234.14,34.14) 210,10 ccw(c185.86,-14.14) 185.86,20 -45.86,20 ccw(c-45.86,-14.14) -70,10 cw(c-94.14,34.14) -94.14,0 -680.32,0 ccw(c-680.32,-120.71) -765.68,-35.36 -788.39,-58.07 cw(c-885.83,39.37) -983.26,136.81 -901.5,218.57 ccw(c-986.85,303.93) -866.14,303.93 -866.14,964.57 cw(c-846.46,964.57) -846.46,984.25 -738.19,984.25 ccw(c-738.19,1043.31) -738.19,1102.36 -846.46,1102.36 cw(c-846.46,1122.05) -866.14,1122.05 -866.14,2333.87 ccw(c-986.85,2333.87) -901.5,2419.22 -983.26,2500.99 cw(c-885.83,2598.42) -788.39,2695.86 -765.68,2673.15 ccw(c-680.33,2758.51) -680.33,2637.79 680.33,2637.8 ccw(c680.33,2758.51) 765.68,2673.15 788.39,2695.86 cw(c885.83,2598.42) 983.26,2500.99 901.5,2419.22 ccw(c986.85,2333.87) 866.14,2333.87 866.14,1122.05 cw(c846.46,1122.05) 846.46,1102.36 738.19,1102.36 ccw(c738.19,1043.31) 738.19,984.25 846.46,984.25 cw(c846.46,964.57) 866.14,964.57 866.14,303.93 ; 234.14,0 680.32,0 cw(c680.32,-120.71) 765.68,-35.35 788.39,-58.07 ccw(c885.83,39.37) 983.26,136.81 901.5,218.57 cw(c986.85,303.93) 866.14,303.93 ; 866.14,303.93 ccw(c866.14,303.93) 866.14,303.93 ; 866.14,303.93 ccw(c866.14,303.93) 866.14,303.93
Mechanical 2:
  lines w2: -1250.83,-325.63 -1250.83,2963.42 1250.83,2963.42 ; -1250.83,-325.63 -1250.83,-325.63 ; -1250.83,-325.63 1250.83,-325.63 1250.83,2963.42 ; 1250.83,2963.42 1250.83,2963.42
T-Component:
  circle w2: c738.19,1043.31 r129.92
  circle w2: c-738.19,1043.31 r129.92
  circle w2: c-885.83,39.37 r129.92
  circle w2: c885.83,39.37 r129.92
  circle w2: c-885.83,2598.42 r129.92
  circle w2: c885.83,2598.42 r129.92
  lines w2: -850,1170 -750,1170 -750,2170 -850,2170 -850,1170 ; -120,865 180,865 180,1065 -120,1065 -120,865 ; 230,830 830,830 830,930 230,930 230,830 ; 750,1170 750,2170 850,2170 850,1170 750,1170
Drill Drawing:
  text ".Legend" at 1365,-65 h60

## Dimensions
-885.83,39.37 to -748.03,1043.31 on Mechanical 2
-885.83,2736.22 to -885.83,-98.42 on Mechanical 2
-1023.62,39.37 to 1023.62,39.37 on Mechanical 2
-885.83,39.37 to 885.83,39.37 on Mechanical 2
-885.83,2598.42 to -885.83,39.37 on Mechanical 2

## Text inside footprints (layer, text, board x,y; h text height)
Bat: T-Component "BAT" at -520,510 h50